# Allegro board 08_038702e.brd
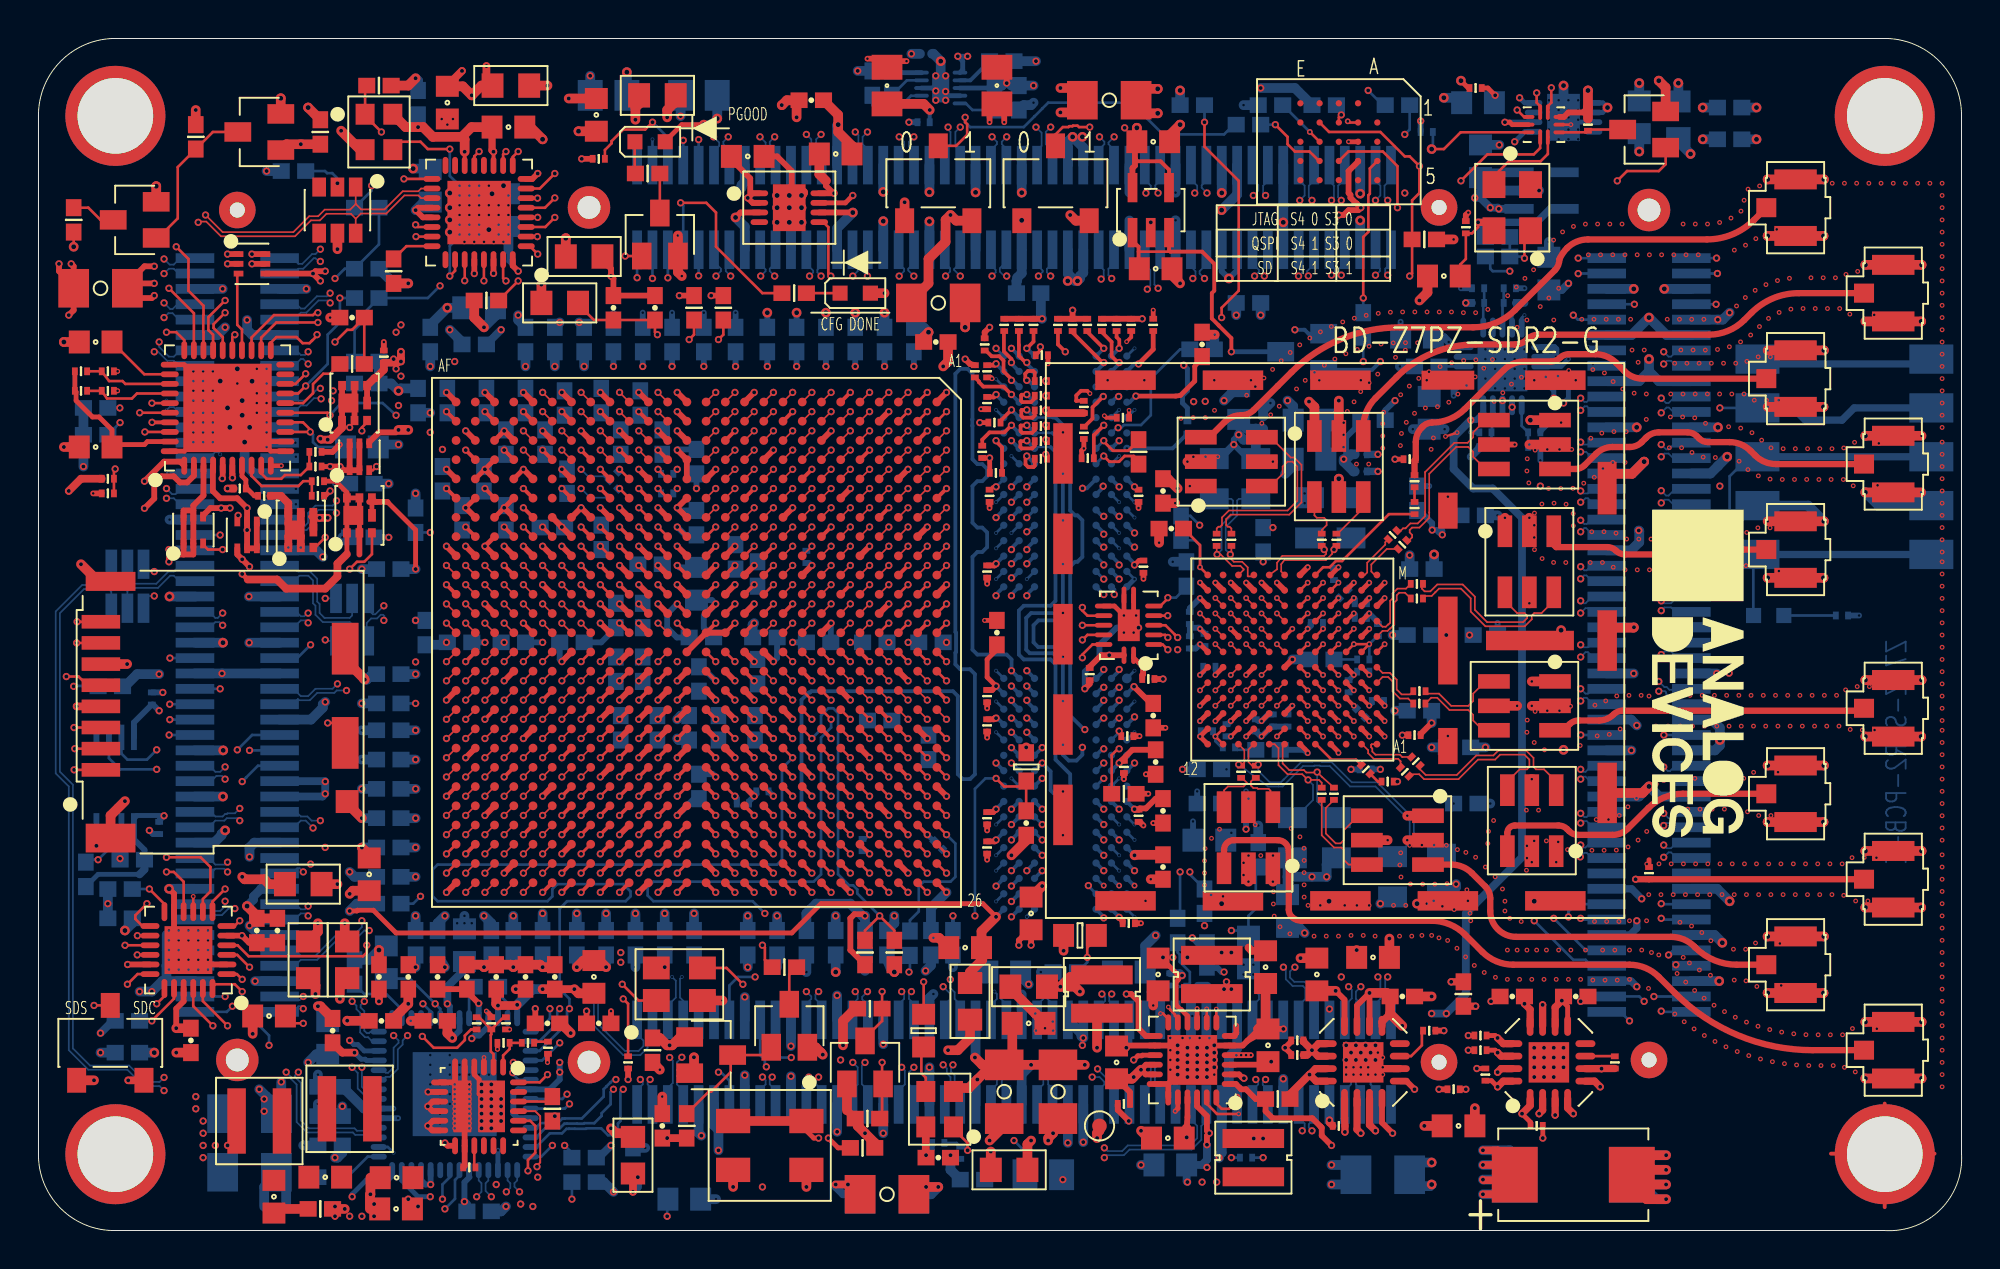
[diagram p0: board, top side]
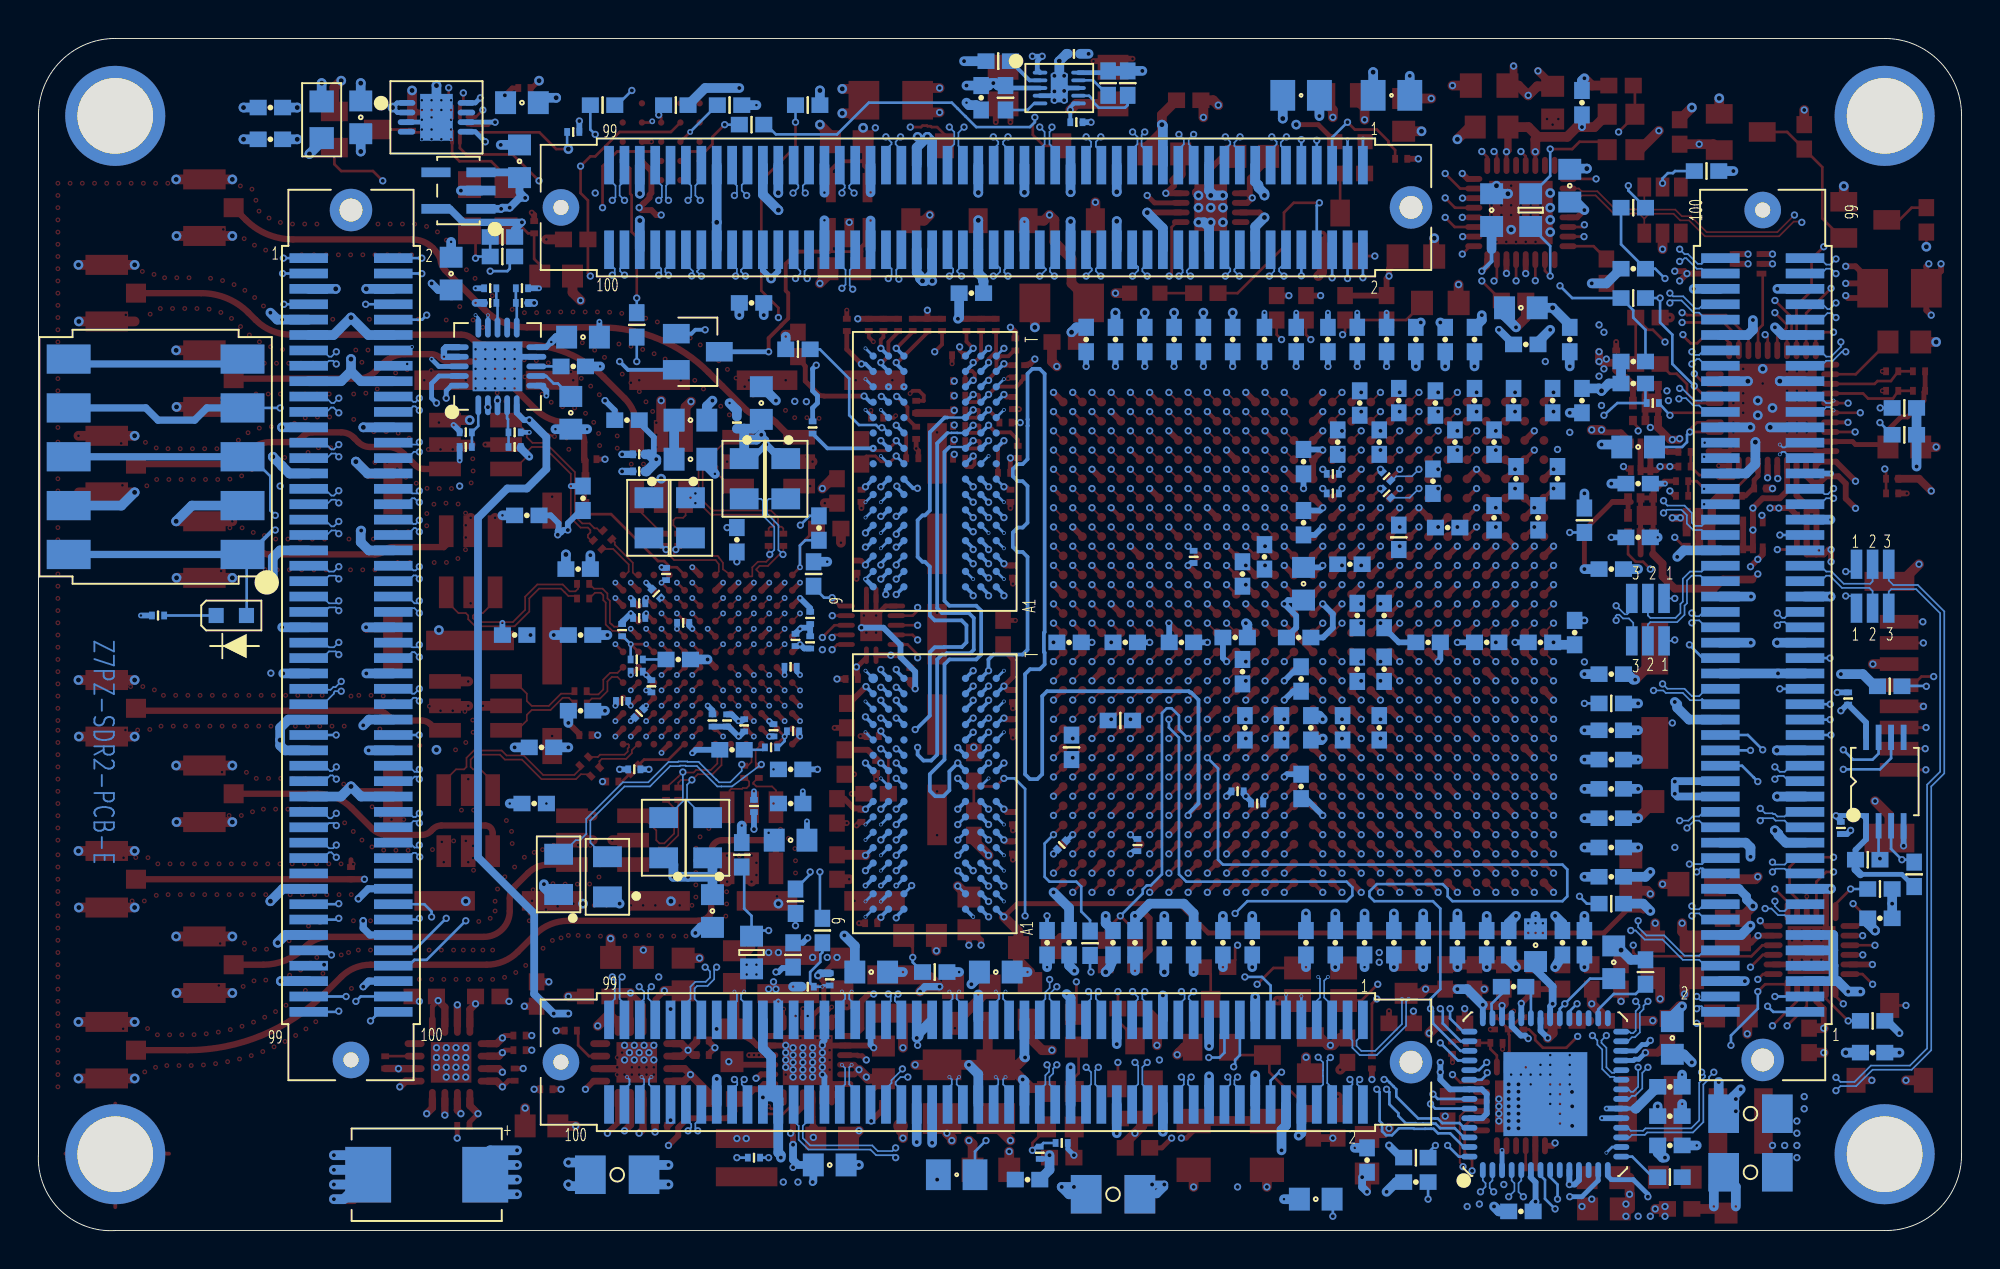
[diagram p1: board, bottom side, seen from below]

Outline 99.99 x 61.99 mm; copper layers: TOP, L2_GND, L3_SIG, L4_SIG, L5_GND, L6_SIG, L7_SIG, L8_GND, L9_POWER, L10_POWER, L11_POWER, L12_POWER, L13_GND, L14_SIG, L15_SIG, L16_GND, L17_SIG, L18_SIG, L19_GND, BOTTOM. Coordinates in mm from the lower left corner of the outline.
Outline path: 0,58 0,4 arc(1.15,1.15) 4,0 96,0 arc(98.9,1.09) 99.99,4 99.99,58 arc(98.83,60.83) 96,61.99 4,61.99 arc(1.17,60.82) 0,58

## Design rules (mm)
constraint set DEFAULT: min track width 0.14
net group DP1: nets UNNAMED_8_CAP_I284_N2 UNNAMED_8_CAP_I285_N2
net group DP2: nets UNNAMED_8_CAP_I220_N2 UNNAMED_8_CAP_I221_N2
net group DP3: nets UNNAMED_8_CAP_I137_N1 UNNAMED_8_CAP_I138_N1
net group DP4: nets UNNAMED_8_CAP_I263_N1 UNNAMED_8_CAP_I264_N1
net group DP5: nets UNNAMED_8_CAP_I209_N2 UNNAMED_8_CAP_I210_N2
net group DP6: nets UNNAMED_8_CAP_I272_N2 UNNAMED_8_CAP_I273_N2
net group DP7: nets UNNAMED_4_CN100PODDEVEN_I17_N4 UNNAMED_4_CN100PODDEVEN_I17_N5
net group DP8: nets UNNAMED_4_CN100PODDEVEN_I16_N4 UNNAMED_4_CN100PODDEVEN_I16_N5
net group DX_0: nets DX_0_N DX_0_P
net group ETH_MD1: nets ETH_MD1_N ETH_MD1_P
net group ETH_MD2: nets ETH_MD2_N ETH_MD2_P
net group ETH_MD3: nets ETH_MD3_N ETH_MD3_P
net group ETH_MD4: nets ETH_MD4_N ETH_MD4_P
net group IO_L23_12_JX2: nets IO_L23_12_JX2_N IO_L23_12_JX2_P
net group RX1A: nets RX1A_N RX1A_P
net group RX1B: nets RX1B_N RX1B_P
net group RX1C: nets UNNAMED_8_CAP_I135_N1 UNNAMED_8_CAP_I136_N1
net group RX1D: nets UNNAMED_8_CAP_I265_N1 UNNAMED_8_CAP_I266_N1
net group RX2A: nets RX2A_N RX2A_P
net group RX2B: nets RX2B_N RX2B_P
net group S_IN: nets S_IN_N S_IN_P
net group S_OUT: nets S_OUT_N S_OUT_P
net group TX1A: nets TX1A_N TX1A_P
net group TX1B: nets TX1B_N TX1B_P
net group TX2A: nets TX2A_N TX2A_P
net group TX2B: nets TX2B_N TX2B_P
net group USB_OTG: nets USB_OTG_N USB_OTG_P
net group AD9361_RX: nets IO_L01_35_RX_D0_P IO_L02_35_RX_D1_P IO_L03_35_RX_D2_P IO_L04_35_RX_D3_P IO_L05_35_RX_D4_P IO_L06_35_RX_D5_P IO_L07_35_RX_FRAME_P IO_L12_MRCC_35_DATA_CLK_P
net group AD9361_TX: nets IO_L08_35_FB_CLK_P IO_L09_35_TX_FRAME_P IO_L13_35_TX_D0_P IO_L14_35_TX_D1_P IO_L15_35_TX_D2_P IO_L16_35_TX_D3_P IO_L17_35_TX_D4_P IO_L18_35_TX_D5_P
net group CARRIER_RESET: nets CARRIER_RESET SDIO_CMDB1 VCC-3P3V-IO
net group DDR3_CK: nets DDR3_CK_N
net group DDR3_CLK2DQS: nets DDR3_DQS0_P DDR3_DQS1_P DDR3_DQS2_P DDR3_DQS3_P
net group DDR3_DQS0: nets DDR3_DQS0_N
net group DDR3_DQS1: nets DDR3_DQS1_N
net group DDR3_DQS2: nets DDR3_DQS2_N
net group DDR3_DQS3: nets DDR3_DQS3_N
net group DDR3_LANE0: nets DDR3_DM0 DDR3_DQ0 DDR3_DQ1 DDR3_DQ2 DDR3_DQ3 DDR3_DQ4 DDR3_DQ5 DDR3_DQ6 DDR3_DQ7
net group DDR3_LANE1: nets DDR3_DM1 DDR3_DQ8 DDR3_DQ9 DDR3_DQ10 DDR3_DQ11 DDR3_DQ12 DDR3_DQ13 DDR3_DQ14 DDR3_DQ15
net group DDR3_LANE2: nets DDR3_DM2 DDR3_DQ16 DDR3_DQ17 DDR3_DQ18 DDR3_DQ19 DDR3_DQ20 DDR3_DQ21 DDR3_DQ22 DDR3_DQ23
net group DDR3_LANE3: nets DDR3_DM3 DDR3_DQ24 DDR3_DQ25 DDR3_DQ26 DDR3_DQ27 DDR3_DQ28 DDR3_DQ29 DDR3_DQ30 DDR3_DQ31
net group IO_L01_12_JX3: nets IO_L01_12_JX3_N
net group IO_L01_13_JX2: nets IO_L01_13_JX2_N
net group IO_L01_33_RX_D0: nets IO_L01_35_RX_D0_N
net group IO_L01_34_JX4: nets IO_L01_34_JX4_N
net group IO_L01_35_JX1: nets IO_L01_33_JX1_N
net group IO_L02_12_JX3: nets IO_L02_12_JX3_N
net group IO_L02_13_JX2: nets IO_L02_13_JX2_N
net group IO_L02_33_RX_D1: nets IO_L02_35_RX_D1_N
net group IO_L02_34_JX4: nets IO_L02_34_JX4_N
net group IO_L02_35_JX1: nets IO_L02_33_JX1_N
net group IO_L03_12_JX3: nets IO_L03_12_JX3_N
net group IO_L03_13_JX2: nets IO_L03_13_JX2_N
net group IO_L03_33_RX_D2: nets IO_L03_35_RX_D2_N
net group IO_L03_34_JX4: nets IO_L03_34_JX4_N
net group IO_L03_35_JX1: nets IO_L03_33_JX1_N
net group IO_L04_12_JX3: nets IO_L04_12_JX3_N
net group IO_L04_13_JX2: nets IO_L04_13_JX2_N
net group IO_L04_33_RX_D3: nets IO_L04_35_RX_D3_N
net group IO_L04_34_JX4: nets IO_L04_34_JX4_N
net group IO_L04_35_JX1: nets IO_L04_33_JX1_N
net group IO_L05_12_JX3: nets IO_L05_12_JX3_N
net group IO_L05_33_JX1: nets IO_L05_33_JX1_N
net group IO_L05_33_RX_D4: nets IO_L05_35_RX_D4_N
net group IO_L05_34_JX4: nets IO_L05_34_JX4_N
net group IO_L06_12_JX3: nets IO_L06_12_JX3_N
net group IO_L06_13_JX2: nets IO_L06_13_JX2_N
net group IO_L06_33_JX1: nets IO_L06_33_JX1_N
net group IO_L06_33_RX_D5: nets IO_L06_35_RX_D5_N
net group IO_L06_34_JX4: nets IO_L06_34_JX4_N
net group IO_L07_12_JX3: nets IO_L07_12_JX3_N
net group IO_L07_13_JX2: nets IO_L07_13_JX2_N
net group IO_L07_33_RX_FRAME: nets IO_L07_35_RX_FRAME_N
net group IO_L07_34_JX4: nets IO_L07_34_JX4_N
net group IO_L07_35_JX1: nets IO_L07_33_JX1_N
net group IO_L08_12_JX3: nets IO_L08_12_JX3_N
net group IO_L08_13_JX2: nets IO_L08_13_JX2_N
net group IO_L08_33_FB_CLK: nets IO_L08_35_FB_CLK_N
net group IO_L08_34_JX4: nets IO_L08_34_JX4_N
net group IO_L08_35_JX1: nets IO_L08_33_JX1_N
net group IO_L09_12_JX3: nets IO_L09_12_JX3_N
net group IO_L09_13_JX2: nets IO_L09_13_JX2_N
net group IO_L09_33_TX_FRAME: nets IO_L09_35_TX_FRAME_N
net group IO_L09_34_JX4: nets IO_L09_34_JX4_N
net group IO_L09_35_JX1: nets IO_L09_33_JX1_N
net group IO_L10_12_JX3: nets IO_L10_12_JX3_N
net group IO_L10_13_JX2: nets IO_L10_13_JX2_N
net group IO_L10_34_JX4: nets IO_L10_34_JX4_N
net group IO_L10_35_JX1: nets IO_L10_33_JX1_N
net group IO_L11_SRCC_12_JX3: nets IO_L11_SRCC_12_JX3_N
net group IO_L11_SRCC_13_JX2: nets IO_L11_SRCC_13_JX2_N
net group IO_L11_SRCC_33_JX1: nets IO_L11_SRCC_33_JX1_N
net group IO_L11_SRCC_34_JX4: nets IO_L11_SRCC_34_JX4_N
net group IO_L12_MRCC_12_JX3: nets IO_L12_MRCC_12_JX3_N
net group IO_L12_MRCC_13_JX2: nets IO_L12_MRCC_13_JX2_N
net group IO_L12_MRCC_33_DATA_CLK: nets IO_L12_MRCC_35_DATA_CLK_N
net group IO_L12_MRCC_34_JX4: nets IO_L12_MRCC_34_JX4_N
net group IO_L12_MRCC_35_JX1: nets IO_L12_MRCC_33_JX1_N
net group IO_L13_33_TX_D0: nets IO_L13_35_TX_D0_N
net group IO_L13_MRCC_12_JX3: nets IO_L13_MRCC_12_JX3_N
net group IO_L13_MRCC_13_JX2: nets IO_L13_MRCC_13_JX2_N
net group IO_L13_MRCC_34_JX4: nets IO_L13_MRCC_34_JX4_N
net group IO_L13_MRCC_35_JX1: nets IO_L13_MRCC_33_JX1_N
net group IO_L14_33_TX_D1: nets IO_L14_35_TX_D1_N
net group IO_L14_SRCC_12_JX3: nets IO_L14_SRCC_12_JX3_N
net group IO_L14_SRCC_13_JX2: nets IO_L14_SRCC_13_JX2_N
net group IO_L14_SRCC_33_JX1: nets IO_L14_SRCC_33_JX1_N
net group IO_L14_SRCC_34_JX4: nets IO_L14_SRCC_34_JX4_N
net group IO_L15_12_JX3: nets IO_L15_12_JX3_N
net group IO_L15_13_JX2: nets IO_L15_13_JX2_N
net group IO_L15_33_JX1: nets IO_L15_33_JX1_N
net group IO_L15_33_TX_D2: nets IO_L15_35_TX_D2_N
net group IO_L15_34_JX4: nets IO_L15_34_JX4_N
net group IO_L16_12_JX3: nets IO_L16_12_JX3_N
net group IO_L16_13_JX2: nets IO_L16_13_JX2_N
net group IO_L16_33_TX_D3: nets IO_L16_35_TX_D3_N
net group IO_L16_34_JX4: nets IO_L16_34_JX4_N
net group IO_L16_35_JX1: nets IO_L16_33_JX1_N
net group IO_L17_12_JX2: nets IO_L17_12_JX2_N
net group IO_L17_13_JX2: nets IO_L17_13_JX2_N
net group IO_L17_33_TX_D4: nets IO_L17_35_TX_D4_N
net group IO_L17_34_JX4: nets IO_L17_34_JX4_N
net group IO_L17_35_JX1: nets IO_L17_33_JX1_N
net group IO_L18_12_JX2: nets IO_L18_12_JX2_N
net group IO_L18_13_JX2: nets IO_L18_13_JX2_N
net group IO_L18_33_TX_D5: nets IO_L18_35_TX_D5_N
net group IO_L18_34_JX4: nets IO_L18_34_JX4_N
net group IO_L18_35_JX1: nets IO_L18_33_JX1_N
net group IO_L19_12_JX2: nets IO_L19_12_JX2_N
net group IO_L19_13_JX2: nets IO_L19_13_JX2_N
net group IO_L19_33_JX1: nets IO_L19_33_JX1_N
net group IO_L19_34_JX4: nets IO_L19_34_JX4_N
net group IO_L20_12_JX2: nets IO_L20_12_JX2_N
net group IO_L20_13_JX2: nets IO_L20_13_JX2_N
net group IO_L20_33_JX1: nets IO_L20_33_JX1_N
net group IO_L20_34_JX4: nets IO_L20_34_JX4_N
net group IO_L21_12_JX2: nets IO_L21_12_JX2_N
net group IO_L21_13_JX2: nets IO_L21_13_JX2_N
net group IO_L21_33_JX1: nets IO_L21_33_JX1_N
net group IO_L21_34_JX4: nets IO_L21_34_JX4_N
net group IO_L22_12_JX2: nets IO_L22_12_JX2_N
net group IO_L22_13_JX2: nets IO_L22_13_JX2_N
net group IO_L22_33_JX1: nets IO_L22_33_JX1_N
net group IO_L22_34_JX4: nets IO_L22_34_JX4_N
net group IO_L23_13_JX2: nets IO_L23_13_JX2_N
net group IO_L23_33_JX1: nets IO_L23_33_JX1_N
net group IO_L24_12_JX4: nets IO_L24_12_JX4_N
net group IO_L24_13_JX2: nets IO_L24_13_JX2_N
net group IO_L24_33_JX1: nets IO_L24_33_JX1_N
net group JX_PAIRS: nets IO_00_33_JX1 IO_25_13_JX2 IO_25_33_JX1 IO_L01_12_JX3_P IO_L01_13_JX2_P IO_L01_33_JX1_P IO_L01_34_JX4_P IO_L02_12_JX3_P IO_L02_13_JX2_P IO_L02_33_JX1_P IO_L02_34_JX4_P IO_L03_12_JX3_P IO_L03_13_JX2_P IO_L03_33_JX1_P IO_L03_34_JX4_P IO_L04_12_JX3_P IO_L04_13_JX2_P IO_L04_33_JX1_P IO_L04_34_JX4_P IO_L05_12_JX3_P IO_L05_33_JX1_P IO_L05_34_JX4_P IO_L06_12_JX3_P IO_L06_13_JX2_P IO_L06_33_JX1_P IO_L06_34_JX4_P IO_L07_12_JX3_P IO_L07_13_JX2_P IO_L07_33_JX1_P IO_L07_34_JX4_P IO_L08_12_JX3_P IO_L08_13_JX2_P IO_L08_33_JX1_P IO_L08_34_JX4_P IO_L09_12_JX3_P IO_L09_13_JX2_P IO_L09_33_JX1_P IO_L09_34_JX4_P IO_L10_12_JX3_P IO_L10_13_JX2_P IO_L10_33_JX1_P IO_L10_34_JX4_P IO_L11_SRCC_12_JX3_P IO_L11_SRCC_13_JX2_P IO_L11_SRCC_33_JX1_P IO_L11_SRCC_34_JX4_P IO_L12_MRCC_12_JX3_P IO_L12_MRCC_13_JX2_P IO_L12_MRCC_33_JX1_P IO_L12_MRCC_34_JX4_P IO_L13_MRCC_12_JX3_P IO_L13_MRCC_13_JX2_P IO_L13_MRCC_33_JX1_P IO_L13_MRCC_34_JX4_P IO_L14_SRCC_12_JX3_P IO_L14_SRCC_13_JX2_P IO_L14_SRCC_33_JX1_P IO_L14_SRCC_34_JX4_P IO_L15_12_JX3_P IO_L15_13_JX2_P IO_L15_33_JX1_P IO_L15_34_JX4_P IO_L16_12_JX3_P IO_L16_13_JX2_P IO_L16_33_JX1_P IO_L16_34_JX4_P IO_L17_12_JX2_P IO_L17_13_JX2_P IO_L17_33_JX1_P IO_L17_34_JX4_P IO_L18_12_JX2_P IO_L18_13_JX2_P IO_L18_33_JX1_P IO_L18_34_JX4_P IO_L19_12_JX2_P IO_L19_13_JX2_P IO_L19_33_JX1_P IO_L19_34_JX4_P IO_L20_12_JX2_P IO_L20_13_JX2_P IO_L20_33_JX1_P IO_L20_34_JX4_P IO_L21_12_JX2_P IO_L21_13_JX2_P IO_L21_33_JX1_P IO_L21_34_JX4_P IO_L22_12_JX2_P IO_L22_13_JX2_P IO_L22_33_JX1_P IO_L22_34_JX4_P IO_L23_13_JX2_P IO_L23_33_JX1_P IO_L24_12_JX4_P IO_L24_13_JX2_P IO_L24_33_JX1_P
net group MGTREFCLK0_112_JX1: nets MGTREFCLK0_112_JX1_N
net group MGTREFCLK1_112_JX3: nets MGTREFCLK1_112_JX3_N
net group MGTX: nets MGTREFCLK0_112_JX1_P MGTREFCLK1_112_JX3_P MGTXRX0_112_JX1_P MGTXRX1_112_JX1_P MGTXRX2_112_JX1_P MGTXRX3_112_JX1_P MGTXTX0_112_JX3_P MGTXTX1_112_JX3_P MGTXTX2_112_JX3_P MGTXTX3_112_JX3_P
net group MGTXRX0_112_JX1: nets MGTXRX0_112_JX1_N
net group MGTXRX1_112_JX1: nets MGTXRX1_112_JX1_N
net group MGTXRX2_112_JX1: nets MGTXRX2_112_JX1_N
net group MGTXRX3_112_JX1: nets MGTXRX3_112_JX1_N
net group MGTXTX0_112_JX3: nets MGTXTX0_112_JX3_N
net group MGTXTX1_112_JX3: nets MGTXTX1_112_JX3_N
net group MGTXTX2_112_JX3: nets MGTXTX2_112_JX3_N
net group MGTXTX3_112_JX3: nets MGTXTX3_112_JX3_N
net group PS_MIO_A: nets PS_MIO07_500_USB_RESET_B PS_MIO09_500_USB_CLK_PD PS_MIO28_501_USB0_D4 PS_MIO29_501_USB0_DIR PS_MIO30_501_USB0_STP PS_MIO31_501_USB0_NXT PS_MIO32_501_USB0_D0 PS_MIO33_501_USB0_D1 PS_MIO34_501_USB0_D2 PS_MIO35_501_USB0_D3 PS_MIO36_501_USB0_CLK PS_MIO37_501_USB0_D5 PS_MIO38_501_USB0_D6 PS_MIO39_501_USB0_D7
net group PS_MIO_C: nets PS_MIO01_500_QSPI0_SS_B PS_MIO02_500_QSPI0_IO0 PS_MIO03_500_QSPI0_IO1 PS_MIO04_500_QSPI0_IO2 PS_MIO05_500_QSPI0_IO3 PS_MIO06_500_QSPI0_SCLK
net group PS_MIO_E: nets PS_MIO08_500_ETH0_RESETN PS_MIO16_501_ETH0_TX_CLK PS_MIO17_501_ETH0_TX_D0 PS_MIO18_501_ETH0_TX_D1 PS_MIO19_501_ETH0_TX_D2 PS_MIO20_501_ETH0_TX_D3 PS_MIO21_501_ETH0_TX_CTL PS_MIO22_501_ETH0_RX_CLK PS_MIO23_501_ETH0_RX_D0 PS_MIO24_501_ETH0_RX_D1 PS_MIO25_501_ETH0_RX_D2 PS_MIO26_501_ETH0_RX_D3 PS_MIO27_501_ETH0_RX_CTL PS_MIO52_501_ETH0_MDC PS_MIO53_501_ETH0_MDIO

## Placement (name value [footprint] x y rotation side)
C1  0.01uF  [C0201]  69.65 27.54 0 bottom
C2  1uF  [C0402]  75.24 30.97 0 bottom
C3  1uF  [C0402]  69.39 42.15 0 bottom
C4  0.01uF  [C0201]  68.12 28.3 90 bottom
C5  4.7uF  [C0603]  73.08 49.64 180 top
C6  0.001uF  [C0201]  71.55 37.57 270 top
C7  0.001uF  [C0201]  69.01 23.98 135 top
C8  18pF  [C0201]  70.41 36.18 225 top
C9  18pF  [C0201]  70.92 35.67 225 top
C10  18pF  [C0201]  71.62 24.4 135 top
C11  18pF  [C0201]  71.05 23.86 135 top
C12  1uF  [C0402]  66.73 29.7 180 bottom
C13  0.001uF  [C0201]  69.65 31.22 90 bottom
C14  0.001uF  [C0201]  68.76 39.48 180 bottom
C15  4.7uF  [C0402]  37.9 46.34 90 bottom
C16  0.001uF  [C0201]  68.76 40.37 180 bottom
C17  4.7uF  [C0402]  34.6 46.34 90 bottom
C18  0.47uF  [C0402]  31.42 46.34 90 bottom
C19  0.001uF  [C0201]  62.79 22.08 270 bottom
C20  0.001uF  [C0201]  63.68 42.02 270 bottom
C21  10uF  [C0603]  66.09 40.11 180 bottom
C22  10uF  [C0603]  66.09 42.15 180 bottom
C23  10uF  [C0603]  64.95 16.62 270 bottom
C24  10uF  [C0603]  62.41 43.03 90 bottom
C25  18pF  [C0201]  66.73 35.92 90 top
C26  18pF  [C0201]  67.49 35.92 90 top
C27  0.47uF  [C0402]  40.95 46.34 90 bottom
C28  0.1uF  [C0402]  26.85 46.34 90 bottom
C29  18pF  [C0201]  61.27 35.92 90 top
C30  18pF  [C0201]  62.03 35.92 90 top
C31  0.1uF  [C0402]  43.99 46.34 90 bottom
C32  18pF  [C0201]  67.36 22.71 270 top
C33  18pF  [C0201]  66.73 22.71 270 top
C34  18pF  [C0201]  63.3 23.86 270 top
C35  18pF  [C0201]  62.54 23.86 270 top
C36  1uF  [C0603]  41.45 55.99 0 top
C37  0.1uF  [C0402]  46.41 30.59 0 bottom
C38  10uF  [C0603]  36.88 55.86 0 top
C39  0.1uF  [C0402]  46.79 3.79 0 top
C40  0.1uF  [C0402]  62.92 48.24 0 bottom
C41  0.1uF  [C0402]  7.93 9.89 270 top
C42  0.1uF  [C0402]  4.24 16.24 0 bottom
C43  0.01uF  [C0201]  46.15 61.2 180 bottom
C44  680uF  [CPLSML287W169H118]  79.81 2.9 0 top
C45  0.1uF  [C0201]  32.69 39.35 180 bottom
C46  0.1uF  [C0201]  29.9 38.34 45 bottom
C47  0.1uF  [C0201]  32.69 38.34 180 bottom
C48  0.1uF  [C0201]  29.9 39.22 45 bottom
C49  4.7uF  [C0402]  17.71 13.19 90 top
C50  4.7uF  [C0402]  26.47 10.78 0 top
C51  18pF  [C0201]  71.67 33.63 180 top
C52  18pF  [C0201]  71.67 32.87 180 top
C53  18pF  [C0201]  71.81 28.05 180 top
C54  0.1uF  [C0402]  11.36 15.6 90 top
C55  0.1uF  [C0402]  12.42 15.6 90 top
C56  18pF  [C0201]  71.8 27.41 180 top
C57  0.1uF  [C0402]  4.62 9.25 0 bottom
C58  1uF  [C0603]  28.88 13.19 90 top
C59  27PF  [C0603]  11.99 11.16 180 top
C60  27PF  [C0603]  18.09 13.95 90 bottom
C61  10uF  [C0603]  58.73 4.81 180 top
C62  10uF  [C0603]  63.93 9.63 90 top
C63  4.7uF  [C0402]  26.85 13.19 90 top
C64  4.7uF  [C0402]  26.34 41 90 bottom
C65  10uF  [C0603]  56.06 8.74 90 top
C66  0.1uF  [C0201]  56.44 6.59 180 top
C67  22uF  [C0603]  58.22 13.32 270 top
C68  22uF  [C0603]  63.81 13.7 270 top
C69  22uF  [C0603]  58.85 3.41 180 bottom
C70  4.7uF  [C0402]  29.9 46.34 90 bottom
C71  4.7uF  [C0402]  45.52 46.34 90 bottom
C72  0.47uF  [C0402]  42.47 46.34 90 bottom
C73  0.1uF  [C0402]  23.8 13.19 90 top
C74  4.7uF  [C0402]  15.17 4.43 180 bottom
C75  0.1uF  [C0402]  22.91 1 0 bottom
C76  0.01uF  [C0201]  37.64 22.84 180 bottom
C77  0.01uF  [C0201]  36.63 22.21 0 bottom
C78  1uF  [C0603]  17.2 18.52 90 top
C79  10uF  [C0805H60]  49.84 59.54 270 top
C80  0.015uF  [C0402]  50.98 58.91 270 bottom
C81  0.22UF  [C0805]  44.12 59.54 90 top
C82  10uF  [C0805H60]  34.34 59.04 0 bottom
C83  10uF  [C0805H60]  29.64 59.04 0 bottom
C84  0.01uF  [C0201]  46.03 57.64 180 bottom
C85  680uF  [CPLSML287W169H118]  79.81 2.9 0 bottom
C86  4.7uF  [C0402]  58.47 18.9 270 top
C87  4.7uF  [C0402]  58.09 24.37 270 top
C88  0.47uF  [C0402]  57.96 26.78 270 top
C89  0.47uF  [C0402]  58.47 21.83 270 top
C90  0.47uF  [C0402]  32.95 46.34 90 bottom
C91  0.1uF  [C0201]  56.69 15.98 0 top
C92  0.1uF  [C0201]  49.33 19.92 270 top
C93  0.1uF  [C0402]  36.25 46.34 90 bottom
C94  0.1uF  [C0201]  56.44 24.11 270 top
C95  0.1uF  [C0201]  57.2 21.57 270 top
C96  0.1uF  [C0201]  49.33 27.79 270 top
C97  0.1uF  [C0201]  49.33 26.27 270 top
C98  0.1uF  [C0402]  39.42 46.34 90 bottom
C99  4.7uF  [C0402]  25.33 46.34 90 bottom
C100  100uF  [C1206H71]  55.68 58.78 0 top
C101  4.7uF  [C0402]  51.49 48.75 180 bottom
C102  0.01uF  [C0201]  49.46 38.21 270 top
C103  0.01uF  [C0201]  49.33 21.44 270 top
C104  0.001uF  [C0201]  60.76 25.97 0 bottom
C105  1uF  [C0402]  63.93 25 0 bottom
C106  4.7uF  [C0402]  60.5 46.08 90 top
C107  0.47uF  [C0402]  58.47 38.46 270 top
C108  0.47uF  [C0402]  49.84 31.1 90 top
C109  0.1uF  [C0201]  49.33 34.27 270 top
C110  4.7uF  [C0402]  44.12 14.97 270 bottom
C111  4.7uF  [C0402]  18.21 24.49 180 bottom
C112  0.1uF  [C0201]  49.33 43.03 270 top
C113  0.1uF  [C0201]  74.22 52.18 90 top
C114  0.47uF  [C0402]  28.37 46.34 90 bottom
C115  0.1uF  [C0201]  49.33 44.69 270 top
C116  0.1uF  [C0201]  57.96 47.1 90 top
C117  0.1uF  [C0201]  57.2 38.21 270 top
C118  0.1uF  [C0201]  57.46 34.53 270 top
C119  0.1uF  [C0402]  36.25 35.03 90 bottom
C120  4.7uF  [C0402]  40.18 58.78 0 top
C121  4.7uF  [C0402]  31.04 14.97 270 bottom
C122  0.01uF  [C0201]  56.39 42.27 180 top
C123  0.01uF  [C0201]  56.62 25.71 180 top
C124  10uF  [C0603]  71.68 46.46 180 bottom
C125  0.47uF  [C0402]  48.57 2.65 180 bottom
C126  0.1uF  [C0402]  27.99 14.97 270 bottom
C127  0.1uF  [C0402]  36.88 14.97 270 bottom
C128  0.1uF  [C0402]  29.52 14.97 270 bottom
C129  0.1uF  [C0402]  32.56 14.97 270 bottom
C130  0.1uF  [C0402]  34.34 23.1 270 bottom
C131  0.1uF  [C0402]  41.45 14.97 270 bottom
C132  0.1uF  [C0402]  18.21 18.4 180 bottom
C133  4.7uF  [C0402]  72.19 44.94 180 bottom
C134  10uF  [C0603]  78.54 49.77 90 bottom
C135  0.1uF  [C0402]  18.21 22.97 180 bottom
C136  0.1uF  [C0402]  38.41 14.97 270 bottom
C137  0.1uF  [C0402]  34.09 14.97 270 bottom
C138  100uF  [C1206H71]  50.22 7.22 90 top
C139  100uF  [C1206H71]  53.01 7.22 90 top
C140  4.7uF  [C0402]  37.39 29.06 90 bottom
C141  4.7uF  [C0402]  37.39 34.14 90 bottom
C142  4.7uF  [C0402]  30.02 31.99 90 bottom
C143  0.47uF  [C0402]  31.42 29.19 270 bottom
C144  4.7uF  [C0402]  18.21 28.94 180 bottom
C145  0.47uF  [C0402]  46.66 46.21 180 top
C146  0.47uF  [C0402]  18.21 19.92 180 bottom
C147  0.1uF  [C0402]  47.55 14.97 270 bottom
C148  0.1uF  [C0402]  34.34 28.68 270 bottom
C149  0.1uF  [C0402]  34.47 30.84 0 bottom
C150  0.1uF  [C0402]  27.74 30.59 180 bottom
C151  0.1uF  [C0402]  31.42 31.99 270 bottom
C152  0.1uF  [C0402]  37.77 30.84 0 bottom
C153  0.47uF  [C0402]  23.55 14.97 270 bottom
C154  0.1uF  [C0402]  34.22 39.99 90 bottom
C155  0.1uF  [C0402]  30.02 29.19 90 bottom
C156  0.1uF  [C0402]  24.69 30.59 180 bottom
C157  0.1uF  [C0402]  26.21 14.97 270 bottom
C158  10uF  [C0603]  72.32 42.53 270 bottom
C159  4.7uF  [C0402]  33.83 26.14 90 bottom
C160  0.1uF  [C0402]  18.21 21.44 180 bottom
C161  4.7uF  [C0402]  35.36 26.14 270 bottom
C162  0.47uF  [C0402]  30.28 26.14 270 bottom
C163  0.47uF  [C0402]  32.18 26.14 270 bottom
C164  0.1uF  [C0402]  37.26 26.14 270 bottom
C165  18PF  [C0402]  58.9 36.51 180 top
C166  0.1uF  [C0402]  22.66 46.08 180 bottom
C167  4.7uF  [C0402]  18.21 26.02 180 bottom
C168  0.1uF  [C0402]  19.74 58.66 90 bottom
C169  4.7uF  [C0402]  20.75 14.97 270 bottom
C170  0.47uF  [C0402]  20.12 31.1 270 bottom
C171  0.47uF  [C0402]  18.21 34.4 180 bottom
C172  100uF  [C1206H71]  46.79 48.24 0 top
C173  100uF  [C1206H71]  69.9 2.9 0 bottom
C174  4.7uF  [C0402]  39.93 14.97 270 bottom
C175  4.7uF  [C0402]  21.9 30.59 180 bottom
C176  4.7uF  [C0402]  46.41 14.97 270 bottom
C177  4.7uF  [C0402]  42.98 14.97 270 bottom
C178  0.47uF  [C0402]  51.36 21.19 270 top
C179  0.47uF  [C0402]  34.22 36.81 90 bottom
C180  100uF  [C1206H71]  3.23 49 180 top
C181  1uF  [C0603]  24.44 53.07 90 bottom
C182  1uF  [C0603]  22.91 47.99 180 bottom
C183  1uF  [C0603]  24.44 57.39 0 top
C184  1uF  [C0603]  20.37 54.34 90 bottom
C185  0.1uF  [C0402]  19.61 14.97 270 bottom
C186  0.1uF  [C0402]  24.69 14.97 270 bottom
C187  0.1uF  [C0402]  31.8 34.65 0 bottom
C188  0.1uF  [C0201]  74.73 59.42 180 top
C189  0.47uF  [C0402]  29.9 47.99 90 top
C190  0.1uF  [C0402]  32.06 47.99 90 top
C191  10uF  [C0603]  51.49 10.78 180 top
C192  10uF  [C0603]  48.19 14.71 180 top
C193  10uF  [C0603]  51.61 16.49 90 top
C194  10uF  [C0603]  50.22 13.44 180 bottom
C195  10uF  [C0603]  56.69 13.44 180 bottom
C196  10uF  [C0603]  21.26 58.66 270 top